# Altium PCB PCB.PcbDoc (part 5 of 10) (continued)
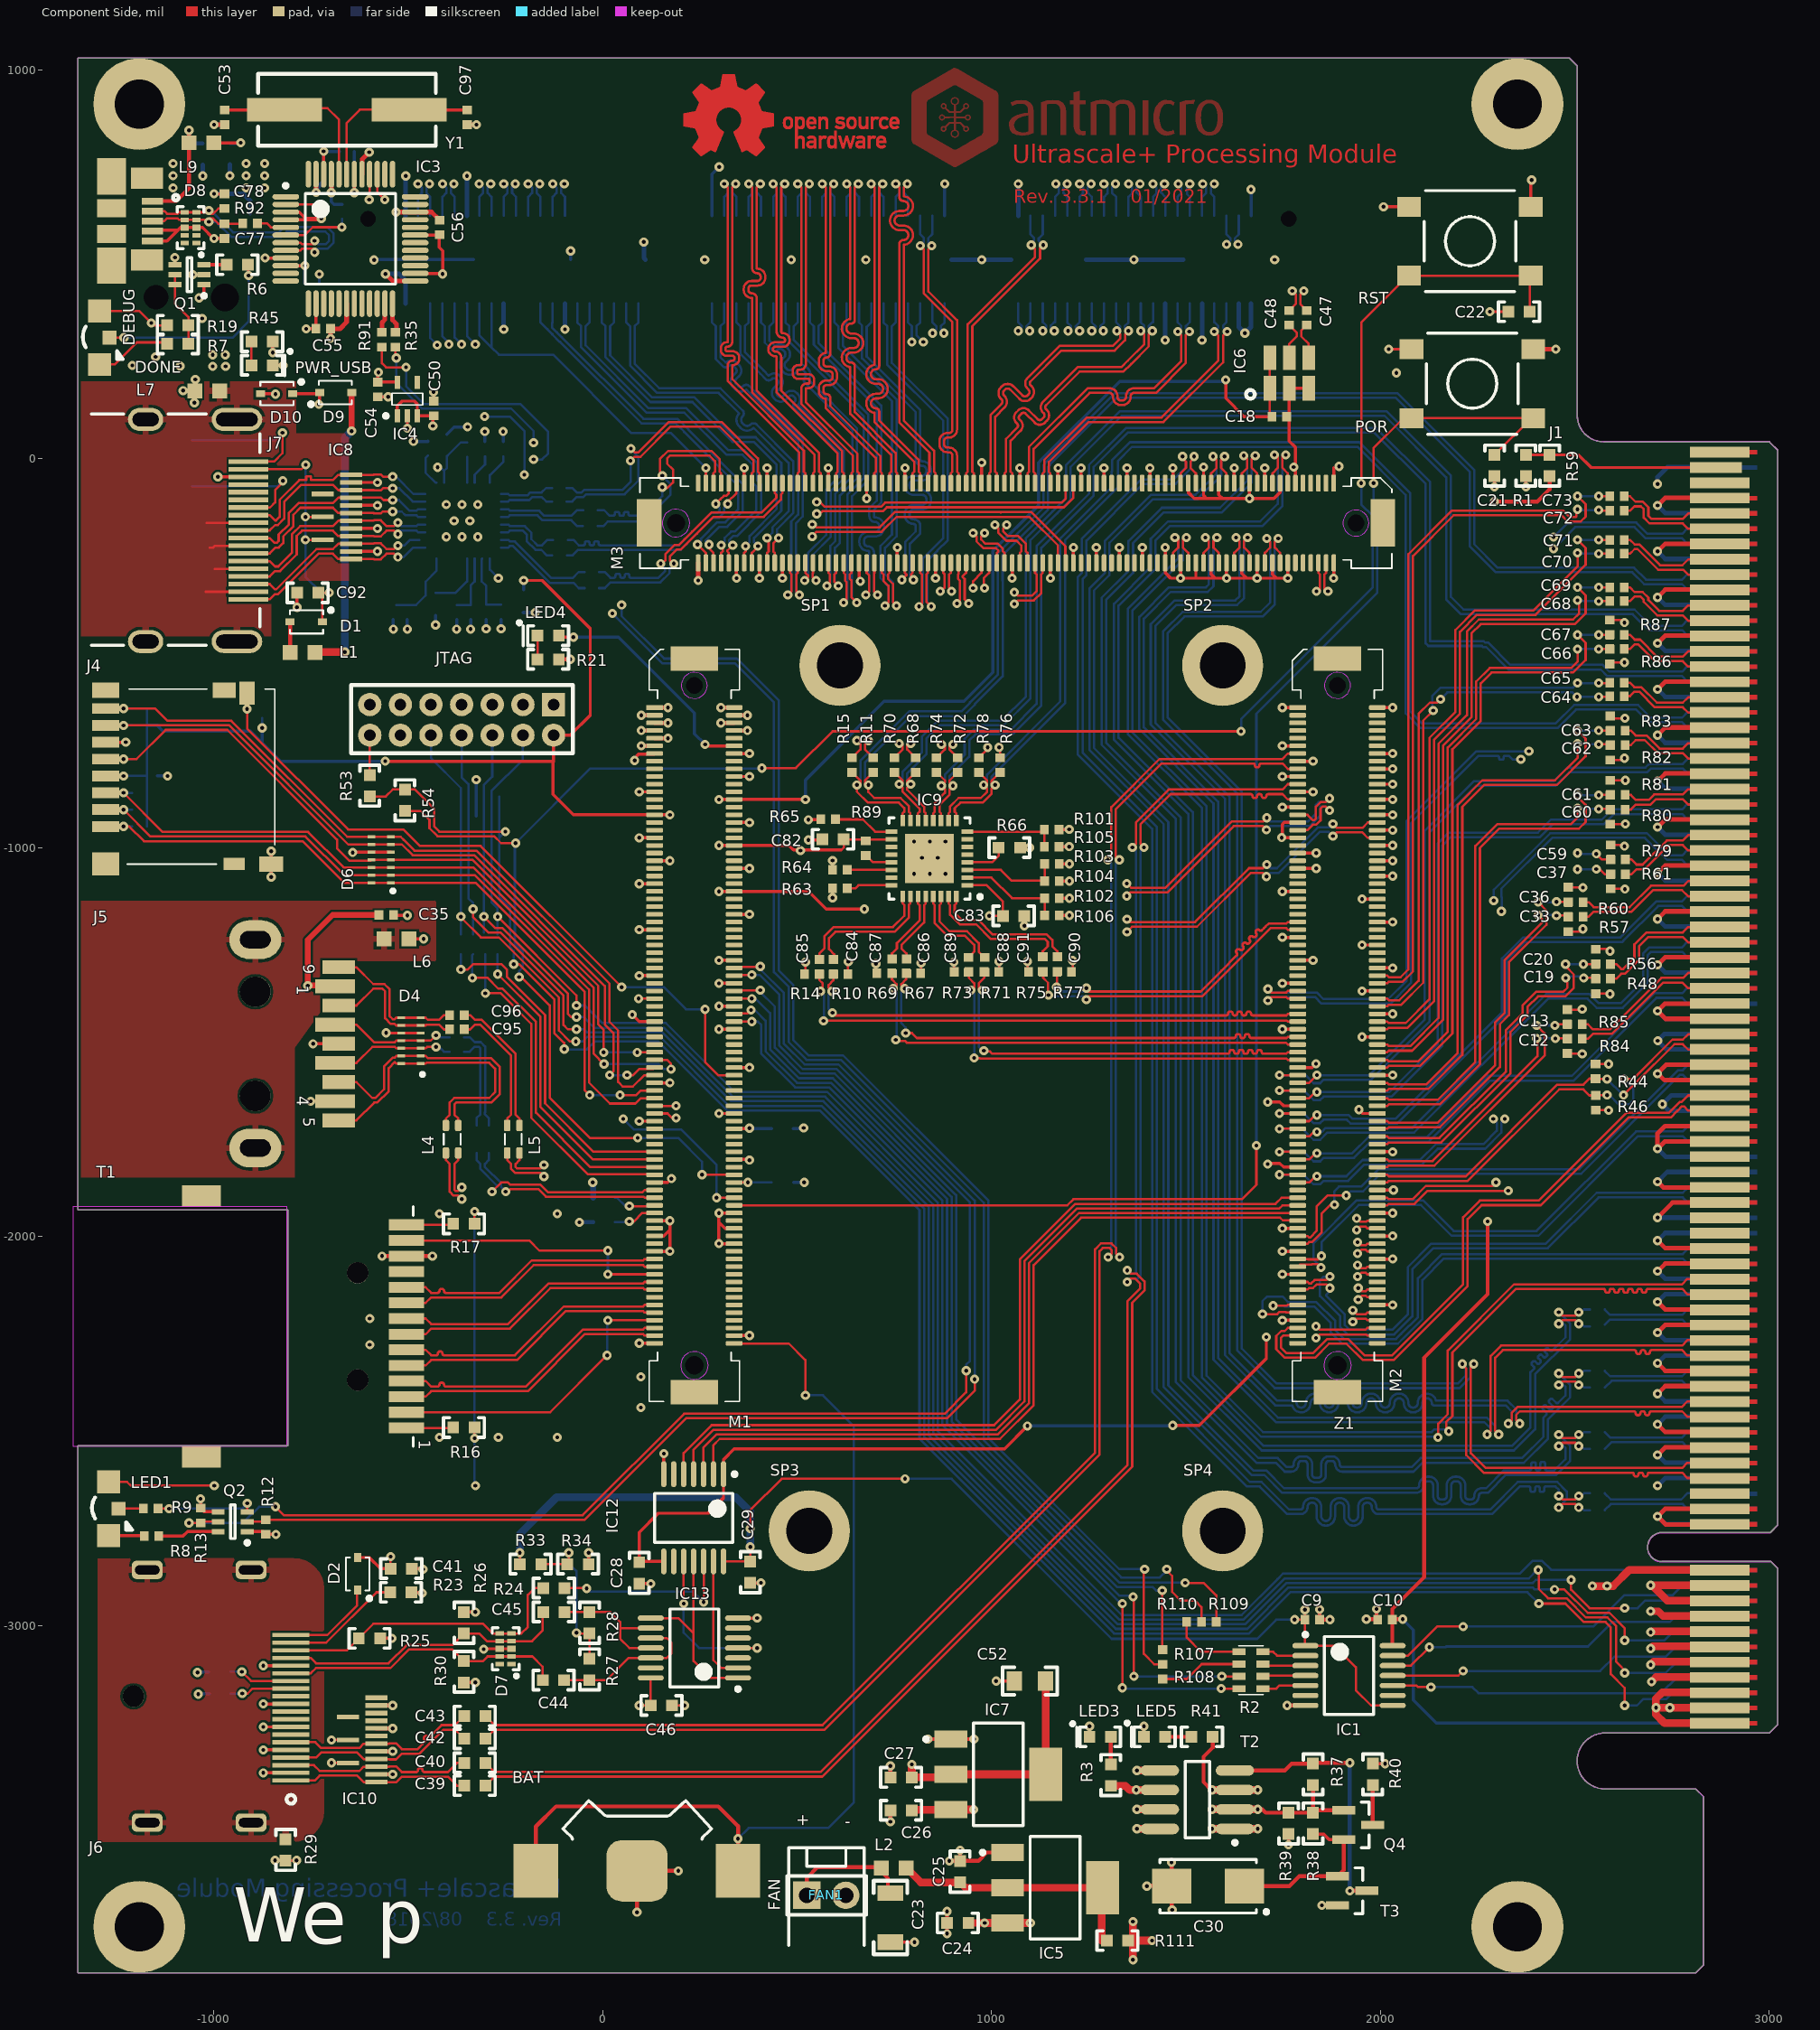
[diagram p0: Component Side view]
## Nets (pads, with @x,y where several pads share a name; then routed paths per layer and width w, separated by ;. In a path a pad name is that pad's centre, name@x,y a point inside that pad or via, vN(x,y) a via of type N, cw(c..) or ccw(c..) an arc to the next point about the centre after c; other vN are vias at no path point) (continued)
  Solder Side w5.91: J2.34@1163.44,624.61 1163.44,673.21 1173.29,683.06 1173.29,698.76 v1(1165.35,706.69)
LVDS_S2_D7_P: J2.32 R86.1 | length 2973.6
  Component Side w5.91: R86.1@2589.37,-527.81 2593.56,-523.62 v1(2627.17,-523.62)
  Signal Layer 1 w5.91: v1(1194.88,706.69) 1186.02,715.55 1186.02,838.61 1235.21,887.8 1941.59,887.8 2061.02,768.37 2061.02,288.39 2084.65,264.76 2084.65,145.61 2112.68,117.57 2112.68,-240.1 2155.51,-282.93 2155.51,-392.69 2183.1,-420.28 2587.6,-420.28 2627.17,-459.84 v1(2627.17,-523.62)
  Solder Side w5.91: v1(1194.88,706.69) 1185.1,696.91 1185.1,683.06 1194.94,673.21 J2.32@1194.94,624.61
LVDS_S2_D8_N: J2.118 M3.104 | length 2142.8
  Component Side w5.91: v1@870.08,-340.55 878.94,-331.69 878.94,-296.27 875.98,-293.32 M3.104@875.98,-267.72
  Signal Layer 1 w5.91: v1(-474.41,706.69) -464.57,696.85 -464.57,568 -297.19,400.62 -297.19,400.56 -262.77,366.14 -214.57,366.14 -201.82,353.4 ccw(c-191.24,363.97) -180.66,353.4 cw(c-173.15,345.88) -165.63,353.4 -159.78,347.55 cw(c-167.3,340.03) -156.67,340.03 cw(c-167.3,340.03) -159.78,332.52 -172.59,319.71 ccw(c-156.72,303.84) -172.59,287.97 -166.74,282.13 ccw(c-150.88,298) -135.01,282.13 cw(c-132.78,279.9) -130.55,282.13 -94.67,246.25 -54.94,246.25 273,-81.69 688.98,-81.69 841.51,-234.22 841.51,-263.06 876.97,-298.53 876.97,-331.69 v1(868.11,-340.55) ; v1@864.17,-340.55 v1@866.14,-338.58
  Solder Side w5.91: J2.118@-474.47,624.61 -474.47,673.21 -464.63,683.06 -464.63,696.91 v1(-474.41,706.69)
LVDS_S2_D8_P: J2.116 M3.102 | length 2126.7
  Component Side w5.91: v1@890.75,-331.69 890.75,-298.24 895.67,-293.32 M3.102@895.67,-267.72
  Signal Layer 1 w5.91: v1(-444.88,706.69) -452.76,698.82 -452.76,572.89 -285.37,405.51 -285.37,405.45 -257.87,377.95 -209.67,377.95 -193.47,361.75 ccw(c-191.24,363.97) -189.01,361.75 cw(c-173.15,345.88) -157.28,361.75 -151.43,355.9 cw(c-167.3,340.03) -144.86,340.03 cw(c-167.3,340.03) -151.43,324.16 -164.24,311.36 ccw(c-156.72,303.84) -164.24,296.33 -158.39,290.48 ccw(c-150.88,298) -143.36,290.48 cw(c-132.78,279.9) -122.2,290.48 -89.78,258.06 -50.05,258.06 277.89,-69.88 693.87,-69.88 853.32,-229.33 853.32,-258.17 888.78,-293.63 888.78,-331.69 v1(897.64,-340.55)
  Solder Side w5.91: v1(-444.88,706.69) -452.82,698.76 -452.82,683.06 -442.97,673.21 J2.116@-442.97,624.61
LVDS_S2_D9_N: J2.100 M3.84 | length 2134.9
  Component Side w5.91: v1(1009,-170) 1018.09,-179.09 1018.09,-190.89 1038.01,-210.81 1064.19,-210.81 1076.77,-223.4 1076.77,-238.2 1072.83,-242.14 M3.84@1072.83,-267.72
  Signal Layer 1 w5.91: v1(-190.94,706.69) -182.09,697.83 -182.09,494.12 -149.61,461.64 98.43,461.64 111.31,448.76 ccw(c122.45,459.89) 133.58,448.76 cw(c144.72,437.62) 155.83,448.78 ; 155.85,448.76 cw(c144.72,437.62) 160.47,437.62 cw(c144.72,437.62) 155.85,426.49 141.93,412.57 ccw(c161.42,393.08) 141.93,373.59 ccw(c161.42,393.08) 180.91,373.59 194.83,387.51 cw(c205.96,376.38) 217.08,387.53 cw(c205.96,376.38) 221.71,376.38 cw(c205.96,376.38) 217.1,365.24 203.18,351.32 ccw(c222.67,331.83) 203.18,312.35 ccw(c222.67,331.83) 242.15,312.35 cw(c244.94,309.56) 247.72,312.35 355.34,204.72 636.84,204.72 790.38,51.18 861.08,51.18 1018.09,-105.84 1018.09,-160.91 v1(1009,-170)
  Solder Side w5.91: J2.100@-191,624.61 -191,673.21 -181.16,683.06 -181.16,696.91 v1(-190.94,706.69)
LVDS_S2_D9_P: J2.98 M3.82 | length 2134.2
  Component Side w5.91: v1(1039,-169.98) 1029.91,-179.08 1029.91,-186 1042.91,-199 1069.08,-199 1088.58,-218.5 1088.58,-238.2 1092.52,-242.14 M3.82@1092.52,-267.72
  Signal Layer 1 w5.91: v1(-161.42,706.69) -170.28,697.83 -170.28,499.02 -144.71,473.45 103.32,473.45 119.66,457.11 ccw(c122.45,459.89) 125.23,457.11 cw(c144.72,437.62) 172.28,437.62 cw(c144.72,437.62) 164.2,418.13 150.29,404.22 ccw(c161.42,393.08) 150.26,381.97 ; 150.29,381.94 ccw(c161.42,393.08) 172.56,381.94 186.48,395.86 cw(c205.96,376.38) 233.52,376.38 cw(c205.96,376.38) 225.45,356.89 211.53,342.97 ccw(c222.67,331.83) 211.53,320.7 ccw(c222.67,331.83) 233.8,320.7 cw(c244.94,309.56) 256.07,320.7 360.24,216.54 641.73,216.54 795.28,62.99 865.97,62.99 1029.91,-100.95 1029.91,-160.89 v1(1039,-169.98)
  Solder Side w5.91: v1(-161.42,706.69) -169.35,698.76 -169.35,683.06 -159.51,673.21 J2.98@-159.51,624.61
LVDS_S2_D10_N: J2.30 R83.1 | length 2973.4
  Component Side w5.91: R83.1@2591.38,-661.42 2597.28,-667.32 v1(2628.91,-667.32)
  Signal Layer 1 w5.91: v1(1226.44,706.69) 1234.25,714.51 1234.25,782.45 1319.91,868.11 1911.89,868.11 1966.54,813.46 1966.54,247.02 2100.87,112.68 2100.87,-253.46 2129.92,-282.51 2129.92,-412.43 2311.93,-594.44 cw(c2307.75,-598.61) 2313.66,-598.61 cw(c2307.75,-598.61) 2311.93,-602.79 ccw(c2317.49,-608.36) 2311.93,-613.92 2313.32,-615.32 ccw(c2318.89,-609.75) 2324.45,-615.32 cw(c2328.63,-619.49) 2332.82,-615.33 ; 2332.81,-615.32 2372.02,-654.53 2445.98,-654.53 ccw(c2445.98,-645.67) 2454.84,-645.67 cw(c2463.7,-645.67) 2463.7,-636.81 cw(c2463.7,-645.67) 2472.56,-645.67 ccw(c2481.42,-645.67) 2481.42,-654.53 ccw(c2481.42,-645.67) 2490.28,-645.67 cw(c2499.13,-645.67) 2499.13,-636.81 cw(c2499.13,-645.67) 2507.99,-645.67 ccw(c2516.85,-645.67) 2516.85,-654.53 ccw(c2516.85,-645.67) 2525.71,-645.67 cw(c2534.57,-645.67) 2534.57,-636.81 cw(c2534.57,-645.67) 2543.43,-645.67 ccw(c2552.28,-645.67) 2552.28,-654.53 2616.11,-654.53 v1(2628.91,-667.32)
  Solder Side w5.91: J2.30@1226.44,624.61 1226.44,673.21 1235.3,682.07 1235.3,697.83 v1(1226.44,706.69)
LVDS_S2_D10_P: J2.28 R82.1 | length 2968.9
  Component Side w5.91: R82.1@2591.38,-774.8 2622.05,-774.8 v1(2627.17,-769.69)
  Signal Layer 1 w5.91: v1(1255.96,706.69) 1246.06,716.59 1246.06,777.56 1324.8,856.3 1907,856.3 1954.72,808.57 1954.72,242.13 2089.06,107.79 2089.06,-258.35 2118.11,-287.4 2118.11,-417.32 2300.04,-599.25 ccw(c2317.49,-608.36) 2303.57,-622.27 2304.97,-623.67 ccw(c2318.89,-609.75) 2327.99,-627.2 2367.13,-666.34 2598.69,-666.34 2627.17,-694.81 v1(2627.17,-769.69)
  Solder Side w5.91: v1(1255.96,706.69) 1247.11,697.83 1247.11,684.04 1257.93,673.21 J2.28@1257.93,624.61
LVDS_S2_D11_N: J2.96 M3.80 | length 2144.5
  Component Side w5.91: v1(1059.06,-343.5) 1067.91,-352.36 1104.33,-352.36 1116.14,-340.55 1116.14,-297.26 1112.2,-293.32 M3.80@1112.2,-267.72
  Signal Layer 1 w5.91: v1(-127.95,706.69) -119.09,697.83 -119.09,686.02 -75.59,642.52 ccw(c-57.51,625.83) -74.91,608.43 ccw(c-57.51,625.83) -40.82,607.75 -22.7,589.63 ccw(c-4.62,572.94) -22.02,555.54 ccw(c-4.62,572.94) 12.07,554.86 70.87,496.06 151.57,496.06 286.39,361.25 cw(c278.04,352.9) 286.39,344.55 ccw(c294.74,336.19) 286.39,327.84 ccw(c294.74,336.19) 303.09,327.84 cw(c311.44,319.49) 319.79,327.84 416.31,231.33 645.67,231.33 800.23,76.77 874.02,76.77 933.07,17.72 977.39,17.72 1007.89,-12.78 1007.89,-55.13 1062.99,-110.24 1062.99,-275.59 1082.68,-295.28 1082.68,-345.96 1076.28,-352.36 1067.91,-352.36 v1(1059.06,-343.5)
  Solder Side w5.91: J2.96@-128.01,624.61 -128.01,673.21 -118.17,683.06 -118.17,696.91 v1(-127.95,706.69)
LVDS_S2_D11_P: J2.94 M3.78 | length 2158.6
  Component Side w5.91: v1(1059.06,-373.03) 1067.91,-364.17 1109.22,-364.17 1127.95,-345.44 1127.95,-297.26 1131.89,-293.32 M3.78@1131.89,-267.72
  Signal Layer 1 w5.91: v1(-98.43,706.69) -107.28,697.83 -107.28,690.92 -66.56,650.19 cw(c-74.21,642.54) -63.39,642.54 cw(c-74.21,642.54) -66.56,634.88 ccw(c-57.51,625.83) -66.56,616.78 ; -66.54,616.76 ccw(c-57.51,625.83) -48.46,616.78 cw(c-40.81,609.13) -33.15,616.79 -13.67,597.3 cw(c-21.32,589.64) -10.49,589.64 cw(c-21.32,589.64) -13.67,581.99 ccw(c-4.62,572.94) -13.69,563.91 ; -13.65,563.87 ccw(c-4.62,572.94) 4.43,563.89 cw(c12.09,556.24) 19.74,563.89 75.76,507.87 156.47,507.87 421.2,243.14 650.56,243.14 805.12,88.58 878.91,88.58 937.96,29.53 984.25,29.53 1019.7,-5.92 1019.7,-50.24 1074.8,-105.34 1074.8,-270.7 1094.49,-290.38 1094.49,-350.86 1081.17,-364.17 1067.91,-364.17 v1(1059.06,-373.03)
  Solder Side w5.91: v1(-98.43,706.69) -106.36,698.76 -106.36,683.06 -96.52,673.21 J2.94@-96.52,624.61
LVDS_S2_D12_N: J2.27 M2.138 | length 2922.5
  Component Side w5.91: v1(1938.98,-1982.28) 1946.85,-1974.41 1962.57,-1974.41 1966.51,-1978.35 M2.138@1992.13,-1978.35
  Signal Layer 1 w5.91: v1(1257.87,328.74) 1266.73,319.88 1266.73,294.26 1282.94,278.06 ccw(c1293.52,288.64) 1304.1,278.06 cw(c1311.61,270.54) 1319.13,278.06 1324.97,272.21 cw(c1317.46,264.69) 1328.09,264.69 cw(c1317.46,264.69) 1324.97,257.18 1312.17,244.37 ccw(c1328.04,228.5) 1312.17,212.64 1318.01,206.79 ccw(c1333.88,222.66) 1349.75,206.79 cw(c1351.98,204.56) 1354.21,206.79 1429.13,131.86 1429.13,-50.23 1411.42,-67.94 1411.42,-383.86 1411.42,-419.29 1411.42,-593.47 1660.35,-842.4 1660.35,-1579.92 cw(c1652.08,-1579.92) 1652.08,-1588.19 1650.9,-1588.19 ccw(c1650.9,-1608.27) 1630.82,-1608.27 1630.82,-1615.36 ccw(c1650.9,-1615.36) 1650.9,-1635.44 1652.08,-1635.44 cw(c1652.08,-1643.7) 1660.35,-1643.7 1660.35,-1724.53 1643.7,-1741.17 1643.7,-1795.39 1724.29,-1875.98 1794.32,-1875.98 1891.76,-1973.43 1930.12,-1973.43 v1(1938.98,-1982.28)
  Solder Side w5.91: v1@1257.89,328.74 1267.78,338.63 1267.78,340.54 1257.93,350.38 J2.27@1257.93,399.02
LVDS_S2_D12_P: J2.25 M2.136 | length 2922.3
  Component Side w5.91: v1(1938.98,-1952.76) 1947.83,-1961.61 1963.56,-1961.61 1966.51,-1958.66 M2.136@1992.13,-1958.66
  Signal Layer 1 w5.91: v1(1287.4,328.74) 1278.54,319.88 1278.54,299.15 1291.29,286.41 ccw(c1293.52,288.64) 1295.74,286.41 cw(c1311.61,270.54) 1327.48,286.41 1333.33,280.56 cw(c1317.46,264.69) 1339.9,264.69 cw(c1317.46,264.69) 1333.33,248.83 1320.52,236.02 ccw(c1328.04,228.5) 1320.52,220.99 1326.37,215.14 ccw(c1333.88,222.66) 1341.4,215.14 cw(c1351.98,204.56) 1362.56,215.14 1440.94,136.75 1440.94,-55.12 1423.23,-72.83 1423.23,-383.86 ccw(c1429.13,-383.86) 1429.13,-389.76 cw(c1429.13,-401.57) 1440.94,-401.57 cw(c1429.13,-401.57) 1429.13,-413.39 ccw(c1429.13,-419.29) 1423.23,-419.29 1423.23,-588.58 1672.16,-837.51 1672.16,-1579.92 cw(c1652.08,-1579.92) 1652.08,-1600 1650.9,-1600 ccw(c1650.9,-1608.27) 1642.63,-1608.27 1642.63,-1615.36 ccw(c1650.9,-1615.36) 1650.9,-1623.63 1652.08,-1623.63 cw(c1652.08,-1643.7) 1672.16,-1643.7 1672.16,-1729.42 1655.51,-1746.06 1655.51,-1790.5 1729.19,-1864.17 1799.21,-1864.17 1896.65,-1961.61 1930.12,-1961.61 v1(1938.98,-1952.76)
  Solder Side w5.91: v1(1287.4,328.74) 1279.59,336.56 1279.59,340.54 1289.43,350.38 J2.25@1289.43,399.02
LVDS_S2_D13_N: J2.26 R81.1 | length 2927.5
  Component Side w5.91: R81.1@2591.38,-827.04 2629.66,-827.04 v1(2629.92,-826.77)
  Signal Layer 1 w5.91: v1(1289.43,706.69) 1298.29,715.55 1298.29,757.9 1384.87,844.49 1789.51,844.49 1933.07,700.93 1933.07,451.8 1933.07,234.25 2063.47,103.85 2063.47,-267.24 2104.33,-308.1 2104.33,-498.03 2106.3,-500 2106.3,-501.54 2273.62,-668.86 2273.62,-716.62 2370.98,-813.98 2422,-813.98 2428.95,-813.98 ccw(c2428.95,-807.09) 2435.84,-807.09 cw(c2444.7,-807.09) 2444.7,-798.23 cw(c2444.7,-807.09) 2453.56,-807.09 ccw(c2460.45,-807.09) 2460.45,-813.98 2464.39,-813.98 ccw(c2464.39,-807.09) 2471.28,-807.09 cw(c2480.13,-807.09) 2480.13,-798.23 cw(c2480.13,-807.09) 2488.99,-807.09 ccw(c2495.88,-807.09) 2495.88,-813.98 2499.82,-813.98 ccw(c2499.82,-807.09) 2506.71,-807.09 cw(c2515.57,-807.09) 2515.57,-798.23 cw(c2515.57,-807.09) 2524.43,-807.09 ccw(c2531.32,-807.09) 2531.32,-813.98 2542.14,-813.98 2551,-813.98 2617.13,-813.98 v1(2629.92,-826.77)
  Solder Side w5.91: J2.26@1289.43,624.61 1289.43,673.21 1298.29,682.07 1298.29,697.83 v1(1289.43,706.69)
LVDS_S2_D13_P: J2.24 R80.1 | length 2927.8
  Component Side w5.91: R80.1@2591.38,-939.63 2629.26,-939.63 v1(2629.92,-938.98)
  Signal Layer 1 w5.91: v1(1318.96,706.69) 1318.67,706.69 1310.1,715.26 1310.1,753.01 1389.76,832.68 1784.62,832.68 1921.26,696.04 1921.26,456.69 1921.26,229.07 2051.66,98.67 2051.66,-272.13 2092.52,-312.99 2092.52,-503.21 2094.49,-505.18 2094.49,-506.43 2261.81,-673.75 2261.81,-721.51 2366.08,-825.79 2569.79,-825.79 2629.92,-885.92 v1(2629.92,-938.98)
  Solder Side w5.91: v1(1318.96,706.69) 1310.1,697.83 1310.1,683.75 1320.92,672.93 J2.24@1320.92,624.61
LVDS_S2_D14_N: J2.10 R85.1 | length 2918.9
  Component Side w5.91: R85.1@2480.91,-1416.14 2517.2,-1416.14 v1(2518.7,-1414.64)
  Signal Layer 1 w5.91: v1(1543.31,706.69) 1552.17,715.55 1552.17,722.17 1564,734 1670.59,734 1680.11,724.48 1680.45,724.48 1699.48,705.45 1699.48,705.11 1700.79,703.81 1700.79,447.81 1834.65,313.95 1834.65,-135.4 1814.96,-155.08 1814.96,-374.02 1828.74,-387.8 1828.74,-686.05 1940.81,-798.12 1940.81,-1012.69 2326.74,-1398.62 2356.97,-1398.62 ccw(c2356.97,-1391.73) 2363.86,-1391.73 cw(c2372.72,-1391.73) 2372.72,-1382.87 cw(c2372.72,-1391.73) 2381.57,-1391.73 ccw(c2388.46,-1391.73) 2388.46,-1398.62 2392.4,-1398.62 ccw(c2392.4,-1391.73) 2399.29,-1391.73 cw(c2408.15,-1391.73) 2408.15,-1382.87 cw(c2408.15,-1391.73) 2417.01,-1391.73 ccw(c2423.9,-1391.73) 2423.9,-1398.62 2502.68,-1398.62 v1(2518.7,-1414.64)
  Solder Side w5.91: J2.10@1541.4,624.61 1541.4,672.98 1552.17,683.75 v1@1552.17,702.73
LVDS_S2_D14_P: J2.8 R84.1 | length 2936.9
  Component Side w5.91: R84.1@2481.1,-1528.74 2517.91,-1528.74 v1(2518.7,-1529.53)
  Signal Layer 1 w5.91: v1(1572.83,706.69) 1563.98,706.69 1563.98,717.27 1568.89,722.19 1665.7,722.19 1675.22,712.67 1675.56,712.67 1687.67,700.56 1687.67,700.22 1688.98,698.91 1688.98,442.91 1822.83,309.06 1822.83,-130.5 1803.15,-150.19 1803.15,-378.91 1816.93,-392.69 1816.93,-691.93 1929,-804 1929,-1017.58 2321.85,-1410.43 2432.43,-1410.43 2518.7,-1496.7 v1(2518.7,-1529.53)
  Solder Side w5.91: v1(1572.83,706.69) 1563.98,697.83 1563.98,681.9 1572.89,672.98 J2.8@1572.89,624.61
LVDS_S2_D15_N: J2.14 R56.1 | length 2925.9
  Component Side w5.91: R56.1@2553.94,-1260.63 2554.27,-1260.3 2585.1,-1260.3 v1(2590.55,-1265.75)
  Signal Layer 1 w5.91: v1(1480.37,706.69) 1489.23,715.55 1489.23,724.23 1523,758 1680,758 1689.9,748.1 1690.24,748.1 1723.1,715.24 1723.1,714.9 1728.93,709.07 1728.93,563.36 1862.2,430.09 1862.2,-160.46 1980.32,-278.57 1980.32,-507.87 2064.96,-592.52 2064.96,-970.47 2342.19,-1247.7 2429,-1247.7 2435.04,-1247.7 ccw(c2435.04,-1240.81) 2441.93,-1240.81 cw(c2450.79,-1240.81) 2450.79,-1231.95 cw(c2450.79,-1240.81) 2459.65,-1240.81 ccw(c2466.54,-1240.81) 2466.54,-1247.7 2470.47,-1247.7 ccw(c2470.47,-1240.81) 2477.36,-1240.81 cw(c2486.22,-1240.81) 2486.22,-1231.95 cw(c2486.22,-1240.81) 2495.08,-1240.81 ccw(c2501.97,-1240.81) 2501.97,-1247.7 2512.8,-1247.7 2521.65,-1247.7 2572.5,-1247.7 v1(2590.55,-1265.75)
  Solder Side w5.91: J2.14@1478.41,624.61 1478.41,673.21 1487.68,682.49 1487.68,699.38 v1(1480.37,706.69)
LVDS_S2_D15_P: J2.12 R48.1 | length 2929.9
  Component Side w5.91: R48.1@2553.94,-1375.2 2589.76,-1375.2 v1(2590.55,-1375.98)
  Signal Layer 1 w5.91: v1(1509.9,706.69) 1501.04,715.55 1501.04,719.34 1527.89,746.19 1675.11,746.19 1685.01,736.29 1685.35,736.29 1711.29,710.35 1711.29,710.01 1717.12,704.18 1717.12,558.47 1850.39,425.2 1850.39,-165.35 1968.5,-283.46 1968.5,-512.77 2053.15,-597.41 2053.15,-975.36 2337.63,-1259.84 2511.89,-1259.84 2590.55,-1338.5 v1(2590.55,-1375.98)
  Solder Side w5.91: J2.12@1509.9,624.61 1509.9,673.21 1502.95,680.16 1502.95,699.74 v1(1509.9,706.69)
LVDS_S2_D16_N: J2.47 M2.166 | length 3296.3
  Component Side w5.91: v1(1834.65,-2259.84) 1843.5,-2250.98 1963.56,-2250.98 1966.51,-2253.94 M2.166@1992.13,-2253.94
  Signal Layer 1 w5.91: v1(795.33,300.2) 804.19,291.34 804.19,275.56 807.65,272.1 807.65,214.82 937.83,84.65 995.11,84.65 1094.97,-15.21 1094.97,-56.61 1120.08,-81.72 1120.08,-235.21 1201.28,-316.41 1201.28,-642.22 1431.1,-872.05 1431.1,-1851.35 1771.65,-2191.9 1771.65,-2208.63 1814.01,-2250.98 1825.79,-2250.98 v1(1834.65,-2259.84)
  Solder Side w5.91: J2.47@785.37,399.02 785.37,350.38 795.22,340.54 795.22,313.14 795.33,313.02 v1(795.33,300.2)
LVDS_S2_D16_P: J2.45 M2.164 | length 3284.9
  Component Side w5.91: v1(1834.65,-2230.31) 1843.5,-2239.17 1961.59,-2239.17 1966.51,-2234.25 M2.164@1992.13,-2234.25
  Signal Layer 1 w5.91: v1(824.86,300.2) 816,291.34 816,280.45 819.46,276.99 819.46,219.71 942.72,96.46 1000,96.46 1106.78,-10.32 1106.78,-51.72 1131.89,-76.83 1131.89,-230.31 1213.09,-311.52 1213.09,-637.33 1442.91,-867.15 1442.91,-1846.46 1783.46,-2187.01 1783.46,-2203.74 1818.9,-2239.17 1825.79,-2239.17 v1(1834.65,-2230.31)
  Solder Side w5.91: J2.45@816.87,399.02 816.87,350.38 807.03,340.54 807.03,318.03 v1(824.86,300.2)
LVDS_S2_OUTCLK_N: J2.22 R79.1 | length 2927.1
  Component Side w5.91: R79.1@2592.13,-992.91 2624.57,-992.91 2627.17,-995.5 v1(2627.17,-996.06)
  Signal Layer 1 w5.91: v1(1352.42,706.69) 1361.28,715.55 1361.28,769.12 1399.16,807 1755.7,807 1909.45,653.25 1909.45,219.46 2039.37,89.54 2039.37,-300.62 2076.77,-338.02 2076.77,-507.87 2114.17,-545.28 2114.17,-657.94 2432.62,-976.38 2453,-976.38 2453.13,-976.38 2463.76,-976.38 ccw(c2463.76,-969.29) 2470.84,-969.29 2470.84,-967.72 cw(c2477.93,-967.72) 2477.93,-960.63 2481.47,-960.63 cw(c2481.47,-967.72) 2488.56,-967.72 2488.56,-969.29 ccw(c2495.65,-969.29) 2495.65,-976.38 2499.19,-976.38 ccw(c2499.19,-969.29) 2506.28,-969.29 2506.28,-967.72 cw(c2513.36,-967.72) 2513.36,-960.63 2516.91,-960.63 cw(c2516.91,-967.72) 2523.99,-967.72 2523.99,-969.29 ccw(c2531.08,-969.29) 2531.08,-976.38 2534.62,-976.38 ccw(c2534.62,-969.29) 2541.71,-969.29 2541.71,-967.72 cw(c2548.8,-967.72) 2548.8,-960.63 2552.34,-960.63 cw(c2552.34,-967.72) 2559.43,-967.72 2559.43,-969.29 ccw(c2566.51,-969.29) 2566.51,-976.38 2577.14,-976.38 2586,-976.38 2607.48,-976.38 v1(2627.17,-996.06)
  Solder Side w5.91: J2.22@1352.42,624.61 1352.42,673.21 1361.28,682.07 1361.28,698.39 1352.98,706.69 v1(1352.42,706.69)
LVDS_S2_OUTCLK_P: J2.20 R61.1 | length 2925.4
  Component Side w5.91: R61.1@2592.13,-1105.51 2633.07,-1105.51 v1@2633.86,-1106.3
  Signal Layer 1 w5.91: v1(1381.95,706.69) 1373.09,715.55 1373.09,764.23 1404.05,795.19 1750.81,795.19 1897.64,648.36 1897.64,214.57 2027.56,84.65 2027.56,-306.07 2064.96,-343.47 2064.96,-512.77 2102.36,-550.17 2102.36,-663.39 2427.17,-988.19 2557.19,-988.19 2628.91,-1059.91 v1(2628.91,-1106.3)
  Solder Side w5.91: v1(1381.95,706.69) 1373.09,697.83 1373.09,684.04 1383.92,673.21 J2.20@1383.92,624.61
MODULE_ON: J1.B81 R1.2 R59.2 | length 501.6
  Component Side w7.87: R1.2@2374.02,9.78 R59.2@2435.04,9.78 2509.9,9.78 2542.38,-22.69 J1.B81@2862.2,-22.69
NetC30_1: C30.1 Q4.2 R38.1 T3.1 | length 435.3
  Component Side w8: R38.1@1826.77,-3535.37 1854.27,-3535.37 1868.11,-3549.21 Q4.2@1905.51,-3549.21
  Component Side w10: C30.1@1650.59,-3669.29 1765.75,-3669.29 1791.34,-3643.7 T3.1@1889.76,-3643.7 1905.51,-3627.95 Q4.2@1905.51,-3549.21
NetC53_2: C53.2 IC3.44 Y1.2 | length 448
  Component Side w5.91: Y1.2@-801,901 -707,901 -677.53,871.53 IC3.44@-677.53,731.34
  Component Side w8: C53.2@-971.16,896.34 -805.66,896.34 Y1.2@-801,901
NetC74_2: C74.2 IC3.46 R36.2 | length 139.4
  Component Side w8: IC3.46@-716.9,731.34 v1(-716.9,790)
  Solder Side w8: C74.2@-716.9,750.24 v1(-716.9,790) R36.2@-675.9,790
NetC75_2: C75.2 IC3.6 | length 173.7
  Component Side w5.91: IC3.6@-814.34,574.84 -765.16,574.84 -745,595 v1(-670,595)
  Solder Side w5.91: v1(-670,595) C75.2@-670,615.98
NetC76_1: C76.1 DEBUG.1 L9.2 | length 319.5
  Component Side w10: DEBUG.1@-1157.28,662.18 -1095.82,662.18 -1063.09,694.91 L9.2@-1063.09,807 ; L9.2@-1063.09,812 -1063,812.09 v1(-1063,844)
  Solder Side w10: v1(-1063,844) -1063,811.91 -1061.59,810.5 C76.1@-1028,810.5
NetC97_2: C97.2 IC3.43 Y1.1 | length 455.8
  Component Side w5.91: IC3.43@-657.84,731.34 -657.84,863.16 -624,897 Y1.1@-497.16,897
  Component Side w8: Y1.1@-497.16,897 -496.5,896.34 C97.2@-348.16,896.34
NetD1_A: D1.A L1.2 | length 78.8
  Component Side w10: D1.A@-803.35,-419.29 -803.35,-497.74 L1.2@-803.09,-498
NetD2_C: D2.C J6.20 | length 240.6
  Component Side w5.91: J6.20@-801.18,-3023.62 -707.33,-3023.62 -630.92,-2947.22 D2.C@-630.92,-2908.5
NetDONE_2: DONE.2 R6.1 | length 521.9
  Component Side w5.91: DONE.2@-1267.72,311.02 v1(-1230.32,311.02) ; R6.1@-911.5,498.59 -911.5,472.5 v1(-910,471)
  Solder Side w5.91: v1(-1230.32,311.02) -950.98,311.02 -910,352 v1(-910,471)
NetDONE_3: DONE.3 R7.1 | length 197.4
  Component Side w5.91: DONE.3@-1293.31,242.13 -1254,242.13 -1197.13,299 R7.1@-1119.5,299
NetIC1_2: IC1.2 R2.2 | length 113.3
  Component Side w5.91: R2.2@1697.83,-3066.93 1724.41,-3066.93 1734.25,-3076.77 IC1.2@1807.09,-3076.77
NetIC1_3: IC1.3 R2.4 | length 110.9
  Component Side w5.91: R2.4@1697.83,-3098.43 1701.77,-3102.36 IC1.3@1807.09,-3102.36
NetIC1_4: IC1.4 R2.6 | length 107.3
  Component Side w5.91: R2.6@1699.8,-3127.95 IC1.4@1807.09,-3127.95
NetIC1_5: IC1.5 R2.8 | length 112.5
  Component Side w5.91: R2.8@1697.83,-3161.42 1732.28,-3161.42 1740.16,-3153.54 IC1.5@1807.09,-3153.54
NetIC2_2: IC2.2 R96.1 R100.2 | length 161.5
  Solder Side w5.91: IC2.2@-309.06,-256.89 -310.51,-258.35 -310.51,-315.79 -298.97,-327.33 R96.1@-298.97,-375 R100.2@-261,-375
NetIC2_3: IC2.3 R97.1 R98.2 | length 159.4
  Solder Side w5.91: R97.1@-374.92,-376.1 -339,-376.1 -339,-326 -328.74,-315.74 IC2.3@-328.74,-256.89
NetIC2_4: IC2.4 R62.2 | length 151.2
  Solder Side w5.91: R62.2@-429.13,-344.55 -377.65,-344.55 -348.43,-315.32 IC2.4@-348.43,-256.89
NetIC2_8: IC2.8 R95.1 R99.2 | length 192.1
  Solder Side w5.91: R99.2@-530.51,-376.1 R95.1@-501.97,-376.1 -479.12,-376.1 -454.72,-351.71 -454.72,-316 -427.17,-288.44 IC2.8@-427.17,-256.89
NetIC2_17: IC2.17 IC2.21 R22.1 R88.2 | length 150.8
  Solder Side w5.91: R22.1@-449.17,7.69 -455,1.86 -455,-36 -428.99,-62.01 IC2.17@-427.17,-62.01 ; IC2.21@-348.43,-62.01 R88.2@-348.43,4.1
NetIC2_22: IC2.22 R5.1 | length 78.9
  Solder Side w5.91: IC2.22@-328.74,-62.01 -328.74,-41.74 -302,-15 -302,5.39 R5.1@-302.3,5.69
NetIC2_24: IC2.24 R4.1 | length 81.7
  Solder Side w5.91: IC2.24@-289.37,-62.01 -289.37,-42.37 -255.5,-8.5 R4.1@-255.5,5.69
NetIC3_2: IC3.2 R93.1 | length 116.4
  Component Side w5.91: IC3.2@-814.34,653.58 v1(-725,653.58)
  Solder Side w5.91: R93.1@-752,653.78 -751.8,653.58 v1(-725,653.58)
NetIC3_5: IC3.5 R92.2 | length 77.1
  Component Side w5.91: R92.2@-887.1,605 -863,605 -852.53,594.53 IC3.5@-814.34,594.53
NetIC3_23: IC3.23 R91.2 | length 76.9
  Component Side w11.81: R91.2@-567,324.9 -567,349.79 -559.42,357.37 IC3.23@-559.42,398.66
NetIC3_24: IC3.24 R35.2 | length 79.5
  Component Side w11.81: IC3.24@-539.73,398.66 -539.73,356.52 -529.47,346.26 -529.47,328.43 R35.2@-533,324.9
NetIC9_2: IC9.2 R102.1 R106.2 | length 265.1
  Component Side w5.91: IC9.2@938.05,-1076.77 1000,-1076.77 1052.56,-1129.33 1136.68,-1129.33 R106.2@1136.68,-1174
NetIC9_3: IC9.3 R103.1 R104.2 | length 254.7
  Component Side w5.91: IC9.3@938.05,-1057.09 1024,-1057.09 1051.58,-1084.67 1136.68,-1084.67 R103.1@1136.68,-1040
NetIC9_4: IC9.4 R66.2 | length 108.4
  Component Side w5.91: IC9.4@938.05,-1037.4 1001.92,-1037.4 1018.5,-1020.83 R66.2@1018.5,-999.77
NetIC9_8: IC9.8 R101.1 R105.2 | length 244.6
  Component Side w5.91: IC9.8@938.05,-958.66 1130.44,-958.66 R101.1@1136.1,-953 R105.2@1136.1,-997.2
NetIC9_17: IC9.17 IC9.21 R65.1 R89.2 | length 224.1
  Component Side w5.91: R65.1@598.9,-927.17 669.29,-927.17 700.79,-958.66 IC9.17@743.17,-958.66 ; R89.2@682,-1023.9 695.5,-1037.4 IC9.21@743.17,-1037.4
NetIC9_22: IC9.22 R64.1 | length 114
  Component Side w5.91: R64.1@629.19,-1057.09 IC9.22@743.17,-1057.09
NetIC9_24: IC9.24 R63.1 | length 117.2
  Component Side w6: R63.1@629.19,-1104.33 650.35,-1104.33 658.22,-1096.46 IC9.24@743.17,-1096.46
NetJ6_13: J6.13 R31.2 | length 160.2
  Component Side w5.91: v1(-925.98,-3174.02) -912.2,-3174.02 -899.61,-3161.42 J6.13@-801.18,-3161.42
  Solder Side w5.91: R31.2@-956.12,-3174.02 v1(-925.98,-3174.02)
NetJ6_14: J6.14 R32.2 | length 164.8
  Component Side w5.91: v1(-927.32,-3117.95) -903.54,-3141.73 J6.14@-801.18,-3141.73
  Solder Side w5.91: R32.2@-956.12,-3117.95 v1(-927.32,-3117.95)
NetJ6_19: J6.19 R23.1 | length 308.9
  Component Side w5.91: J6.19@-801.18,-3043.31 -710.31,-3043.31 -580.87,-2913.87 R23.1@-545.87,-2913.87
NetJ6_21: J6.21 J6.22 J6.23 J6.24 R29.1
NetJ7_13: J7.13 TP1.1 | length 375.9
  Component Side w5.91: J7.13@-910.08,-125.41 -855.24,-125.41 -841.86,-112.04 -841.86,-80.77 -821.88,-60.78 v1(-821.88,-57.09)
  Solder Side w5.91: TP1.1@-1055.12,-70.87 -835.66,-70.87 v1(-821.88,-57.09)
NetJ7_19: J7.19 TP2.1 | length 389.3
  Component Side w5.91: J7.19@-910.08,-7.3 -844.3,-7.3 -822.83,14.17 v1(-822.83,66.93)
  Solder Side w5.91: TP2.1@-1055.12,47.24 -842.52,47.24 v1(-822.83,66.93)
NetJTAG_14: JTAG.14 R53.1 | length 102.4
  Component Side w5.91: R53.1@-598.43,-813.05 JTAG.14@-598.42,-710.63
NetLED1_2: LED1.2 R9.2 | length 63.8
  Component Side w5.91: LED1.2@-1244.09,-2698.82 R9.2@-1180.31,-2698.82
NetLED1_3: LED1.3 R8.2 | length 92.2
  Component Side w8: LED1.3@-1269.68,-2767.72 -1180.32,-2767.72 R8.2@-1178.35,-2769.69
NetLED3_A: LED3.A R3.1 | length 70.9
  Component Side w10: R3.1@1307.03,-3356.3 LED3.A@1307.03,-3285.43
NetLED4_K: LED4.K R21.1 | length 61
  Component Side w5.91: R21.1@-167.26,-515.75 LED4.K@-167.26,-454.72
NetLED5_A: LED5.A R41.1 | length 67
  Component Side w10: LED5.A@1446.79,-3285.43 R41.1@1513.84,-3285.43
NetPWR_USB_A: PWR_USB.A R45.1 | length 61
  Component Side w5.91: PWR_USB.A@-902.5,240 R45.1@-902.5,301
NetQ1_3: Q1.3 R6.2 | length 58.1
  Component Side w10: Q1.3@-1024.6,498.59 R6.2@-966.5,498.59
NetQ1_5: Q1.5 Q1.6 R7.2 R19.1 | length 188.5
  Component Side w5.91: Q1.5@-1099.4,473 Q1.6@-1099.4,447.41 -1099.4,398.85 -1064.5,363.95 R7.2@-1064.5,299
NetQ2_3: Q2.3 R9.1 | length 256.5
  Component Side w5.91: R9.1@-1142.52,-2698.82 v1(-1114.17,-2698.82) ; Q2.3@-913.39,-2706.69 v1(-913.39,-2685.04)
  Solder Side w5.91: v1(-1114.17,-2698.82) -927.17,-2698.82 v1(-913.39,-2685.04)
NetQ2_6: Q2.6 R8.1 | length 157.3
  Component Side w8: R8.1@-1140.55,-2769.69 -1078.74,-2769.69 -1066.93,-2757.87 Q2.6@-988.19,-2757.87
NetQ4_3: Q4.3 R40.2 | length 102.4
  Component Side w10: Q4.3@1980.31,-3511.81 R40.2@1980.32,-3409.39
NetR16_1: R16.1 T1.1 | length 119.4
  Component Side w5.91: T1.1@-504.33,-2491.34 R16.1@-384.98,-2491.34
NetR17_1: R17.1 T1.14 | length 117.8
  Component Side w5.91: T1.14@-504.33,-1969.29 R17.1@-386.56,-1969.29
NetR27_1: R27.1 R28.2 R33.1 R34.2 | length 417.4
  Component Side w5.91: R33.1@-157.54,-2841.61 R34.2@-90.49,-2841.61 -86.61,-2837.73 v1(-86.61,-2812.14) v1@-86.61,-2806.17 ; v1(-67,-3018) -65.37,-3019.63 R28.2@-33.46,-3019.63 R27.1@-33.46,-3084.7
  Solder Side w5.91: v1@-86.67,-2806.11 v1@-86.61,-2806.17 ; v1(-86.61,-2812.14) -86.61,-2839.39 -67,-2859 v1(-67,-3018)
NetR37_1: R37.1 T2.4 T3.3 | length 675.4
  Component Side w10: T2.4@1625.98,-3371.85 1754.19,-3371.85 1771.65,-3354.39 R37.1@1826.77,-3354.39 1828.8,-3352.36 v1(1921.26,-3352.36) ; v1(1921.26,-3681.1) T3.3@1964.57,-3681.1
  Solder Side w10: v1(1921.26,-3681.1) v1(1921.26,-3352.36)